# Altium PCB ASP-0.PcbDoc (part 1 of 4) (continued)
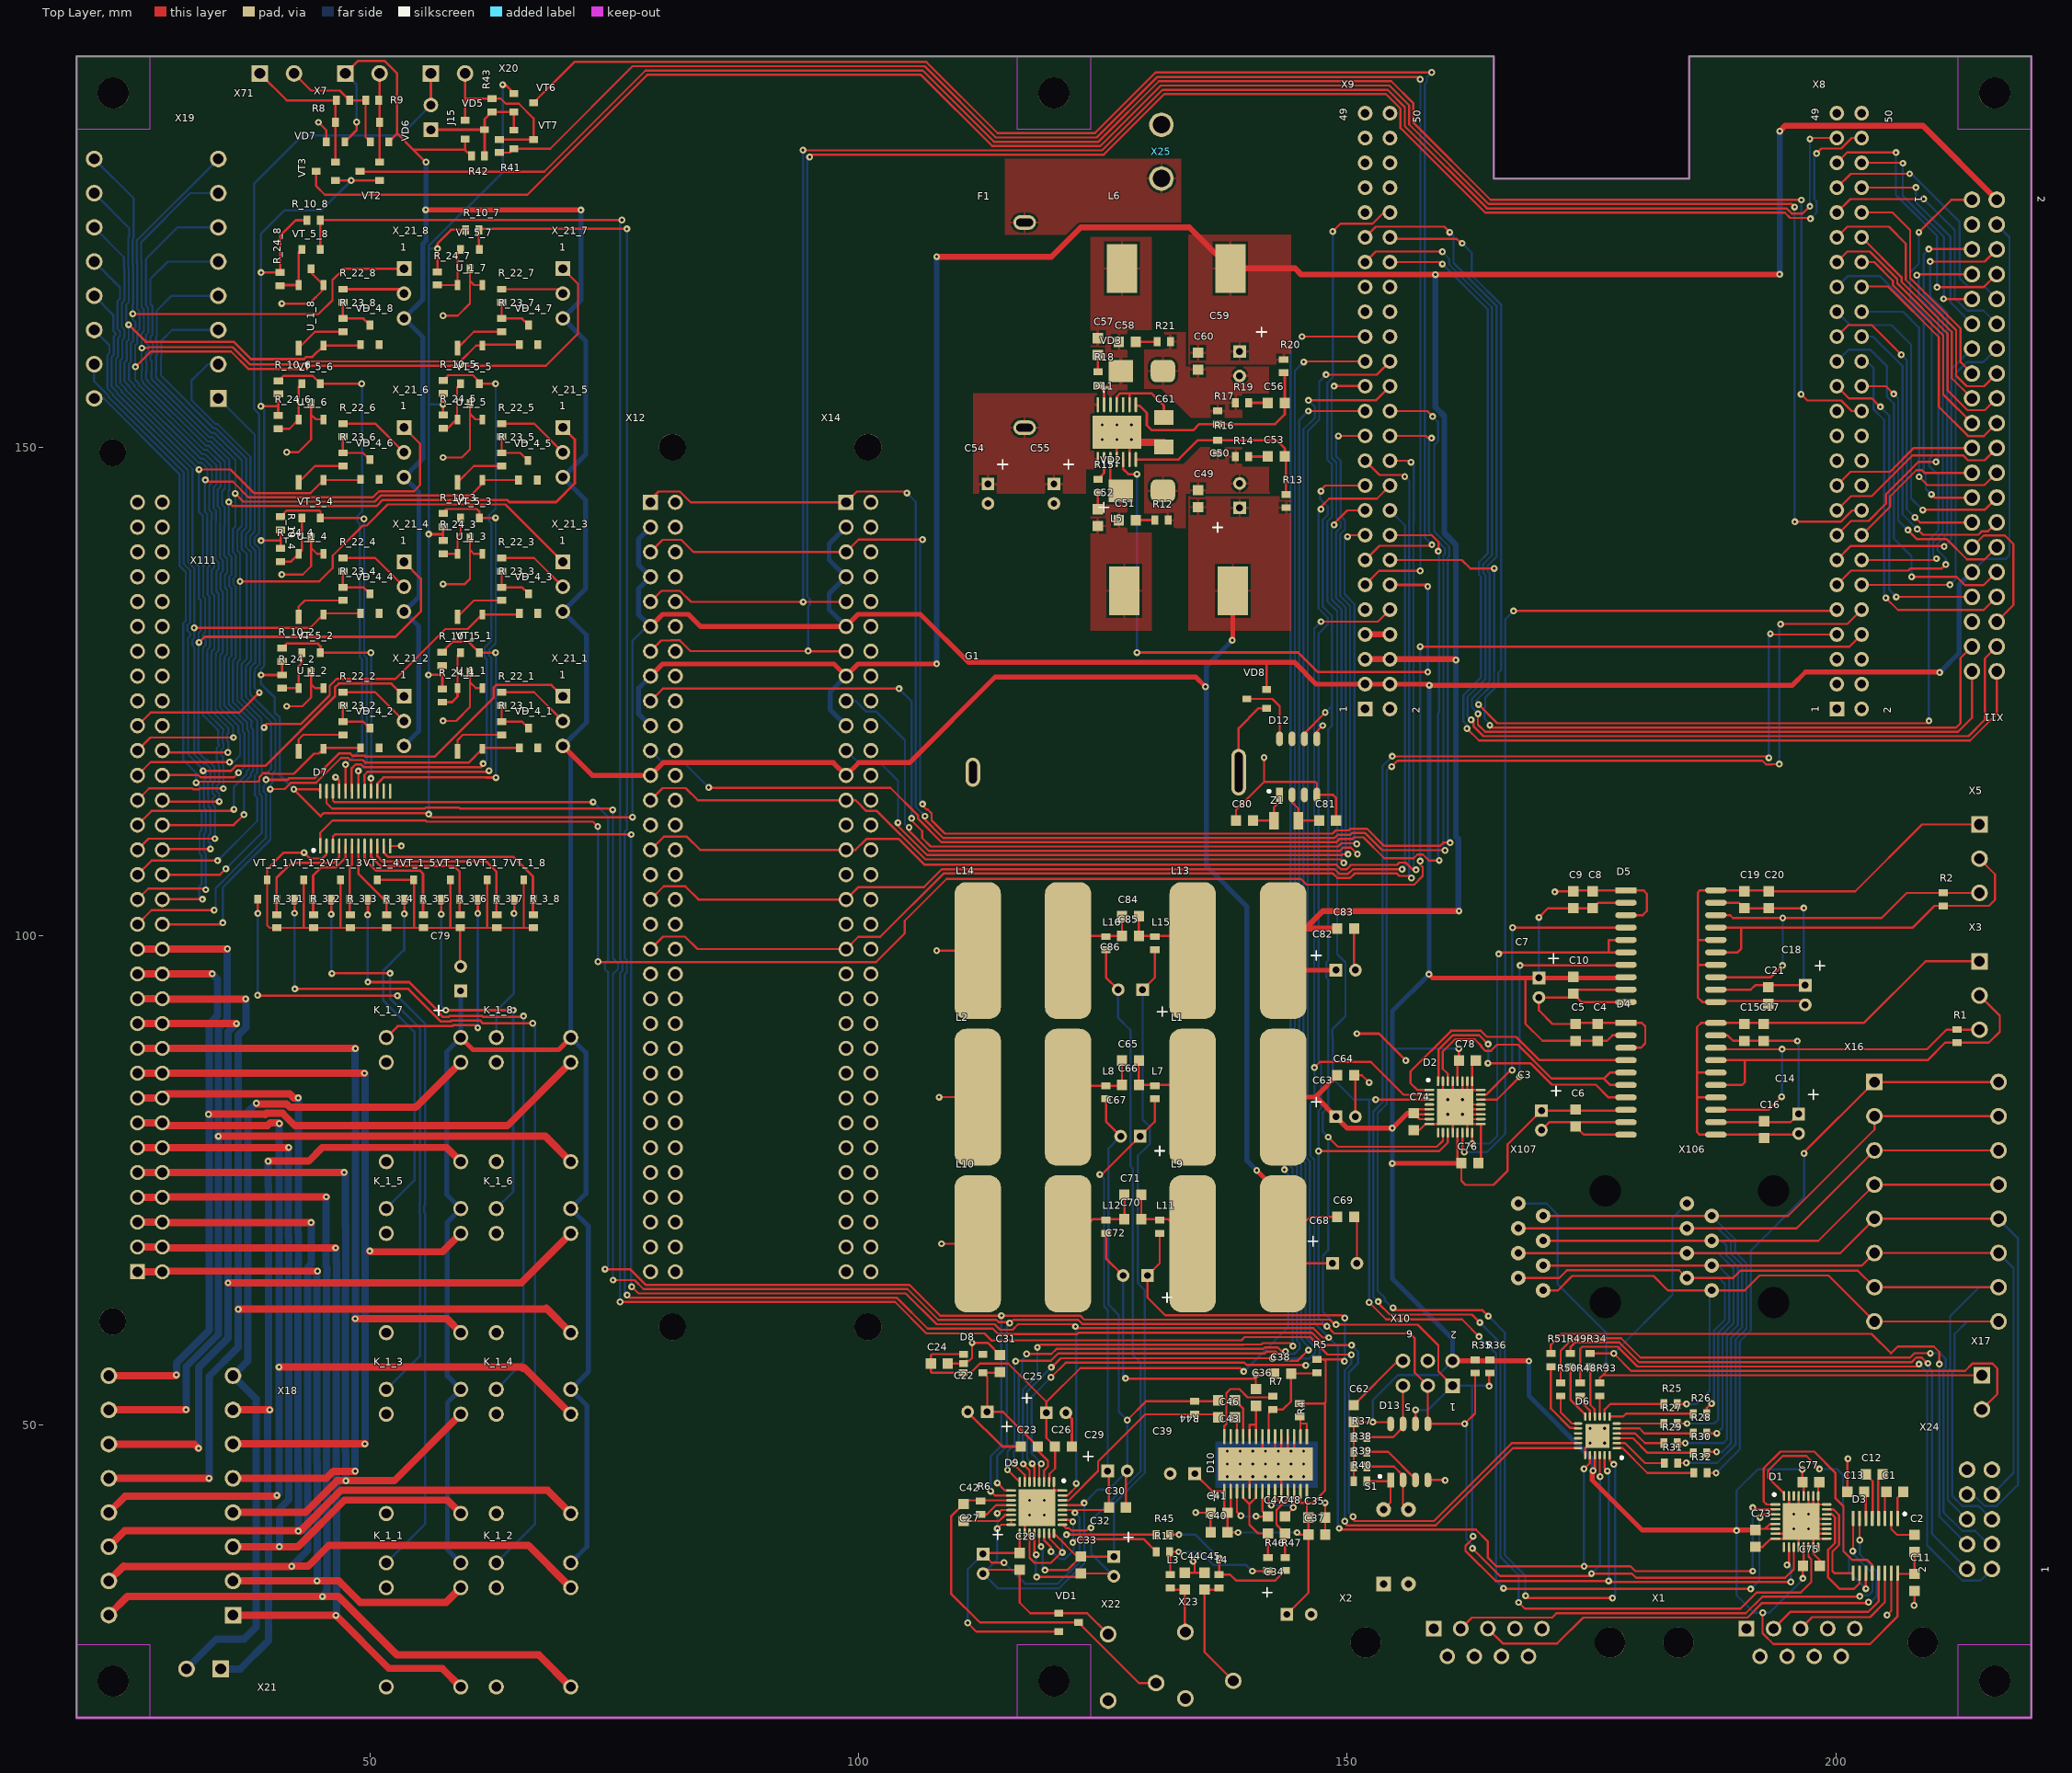
[diagram p0: Top Layer view]
## Components (designator, comment, footprint, x,y, rotation, side; value= is the part's Value field where it differs from the comment) (continued)
R_22_2 "550" R0603 47.25,124.25 r90 top (schematic designator R22)
R_22_3 "550" R0603 63.5,138 r90 top (schematic designator R22)
R_22_4 "550" R0603 47.25,138 r90 top (schematic designator R22)
R_22_5 "550" R0603 63.5,151.75 r90 top (schematic designator R22)
R_22_6 "550" R0603 47.25,151.75 r90 top (schematic designator R22)
R_22_7 "550" R0603 63.5,165.5 r90 top (schematic designator R22)
R_22_8 "550" R0603 47.25,165.5 r90 top (schematic designator R22)
R_23_1 "550" R0603 63.5,121.25 r90 top (schematic designator R23)
R_23_2 "550" R0603 47.25,121.25 r90 top (schematic designator R23)
R_23_3 "550" R0603 63.5,135 r90 top (schematic designator R23)
R_23_4 "550" R0603 47.25,135 r90 top (schematic designator R23)
R_23_5 "550" R0603 63.5,148.75 r90 top (schematic designator R23)
R_23_6 "550" R0603 47.25,148.75 r90 top (schematic designator R23)
R_23_7 "550" R0603 63.5,162.5 r90 top (schematic designator R23)
R_23_8 "550" R0603 47.25,162.5 r90 top (schematic designator R23)
R_24_1 "4.7K" R0603 57.425,124.6 r90 top (schematic designator R24)
R_24_2 "4.7K" R0603 41.025,126.025 r90 top (schematic designator R24)
R_24_3 "4.7K" R0603 57.5,139.775 r90 top (schematic designator R24)
R_24_4 "4.7K" R0603 40.875,138.975 r90 top (schematic designator R24)
R_24_5 "4.7K" R0603 57.5,152.625 r90 top (schematic designator R24)
R_24_6 "4.7K" R0603 40.625,152.575 r90 top (schematic designator R24)
R_24_7 "4.7K" R0603 56.925,167.275 r90 top (schematic designator R24)
R_24_8 "4.7K" R0603 40.825,167.2 r90 top (schematic designator R24)
S1 "SW DIP-2" DipSw2 155,37.5 r0 top
U_1_1 "MOC207M" SOP4 60.25,122.25 r90 top (schematic designator U1)
U_1_2 "MOC207M" SOP4 44,122.25 r90 top (schematic designator U1)
U_1_3 "MOC207M" SOP4 60.25,136 r90 top (schematic designator U1)
U_1_4 "MOC207M" SOP4 44,136 r90 top (schematic designator U1)
U_1_5 "MOC207M" SOP4 60.25,149.75 r90 top (schematic designator U1)
U_1_6 "MOC207M" SOP4 44,149.75 r90 top (schematic designator U1)
U_1_7 "MOC207M" SOP4 60.25,163.5 r90 top (schematic designator U1)
U_1_8 "MOC207M" SOP4 44,163.5 r90 top (schematic designator U1)
VD1 "BAT54S" SOT23 121.5,29.75 r270 top
VD2 "MBRA340" DiodeSMB 129,145.55 r180 top
VD3 "MBRA340" DiodeSMB 129,157.8 r180 top
VD5 "BAT54S" SOT23 60.75,182.5 r270 top
VD6 "BAT54S" SOT23 51,182.25 r0 top
VD7 "BAT54S" SOT23 46.5,182.25 r0 top
VD8 "BAT54C" SOT23 140.75,124.25 r90 top
VD_4_1 "BAT54S" SOT23 66.25,120.25 r0 top (schematic designator VD4)
VD_4_2 "BAT54S" SOT23 50,120.25 r0 top (schematic designator VD4)
VD_4_3 "BAT54S" SOT23 66.25,134 r0 top (schematic designator VD4)
VD_4_4 "BAT54S" SOT23 50,134 r0 top (schematic designator VD4)
VD_4_5 "BAT54S" SOT23 66.175,147.65 r0 top (schematic designator VD4)
VD_4_6 "BAT54S" SOT23 50,147.725 r0 top (schematic designator VD4)
VD_4_7 "BAT54S" SOT23 66.25,161.5 r0 top (schematic designator VD4)
VD_4_8 "BAT54S" SOT23 50,161.5 r0 top (schematic designator VD4)
VT2 "BSS138LT3G" SOT23 50,178.25 r90 top
VT3 "BSS138LT3G" SOT23 45.5,178.25 r90 top
VT6 "BSS138LT3G" SOT23 65.75,185.25 r270 top
VT7 "BSS138LT3G" SOT23 65.75,181.5 r270 top
VT_1_1 "BSS138LT3G" SOT23 39.5,104.75 r0 top (schematic designator VT1)
VT_1_2 "BSS138LT3G" SOT23 43.25,104.75 r0 top (schematic designator VT1)
VT_1_3 "BSS138LT3G" SOT23 47,104.75 r0 top (schematic designator VT1)
VT_1_4 "BSS138LT3G" SOT23 50.75,104.75 r0 top (schematic designator VT1)
VT_1_5 "BSS138LT3G" SOT23 54.5,104.75 r0 top (schematic designator VT1)
VT_1_6 "BSS138LT3G" SOT23 58.25,104.75 r0 top (schematic designator VT1)
VT_1_7 "BSS138LT3G" SOT23 62,104.75 r0 top (schematic designator VT1)
VT_1_8 "BSS138LT3G" SOT23 65.75,104.75 r0 top (schematic designator VT1)
VT_5_1 "BSS138LT3G" SOT23 60.25,128 r180 top (schematic designator VT5)
VT_5_2 "BSS138LT3G" SOT23 44,128 r180 top (schematic designator VT5)
VT_5_3 "BSS138LT3G" SOT23 60.25,141.75 r180 top (schematic designator VT5)
VT_5_4 "BSS138LT3G" SOT23 44,141.75 r180 top (schematic designator VT5)
VT_5_5 "BSS138LT3G" SOT23 60.25,155.5 r180 top (schematic designator VT5)
VT_5_6 "BSS138LT3G" SOT23 44,155.5 r180 top (schematic designator VT5)
VT_5_7 "BSS138LT3G" SOT23 60.25,169.25 r180 top (schematic designator VT5)
VT_5_8 "BSS138LT3G" SOT23 44,169.25 r180 top (schematic designator VT5)
X1 "D Connector 9" "DSub Male R/A" 196.4,27.7 r0 top
X2 "D Connector 9" "DSub Male R/A" 164.4,27.7 r0 top
X3 "Клеммник RS485" 15EDGRC-3.5-3 214.7,97.4 r0 top
X5 "Клеммник RS485" 15EDGRC-3.5-3 214.7,111.4 r0 top
X7 "Клеммник под Wiegand" 15EDGRC-3.5-2 47.5,188.25 r90 top
X8 "Header 25X2" HDR2X25 201.374,153.705 r90 top
X9 "Header 25X2" HDR2X25 153.114,153.705 r90 top
X10 "Header 3X2" HDR2X3 158.25,55.25 r180 top
X11 "Header 20X2" IDC-40 215.2,151.2 r270 top
X12 "Header 10X2" "DIN 41612 B Vertical" 80,105 r0 top
X14 "Header 10X2" "DIN 41612 B Vertical" 100,105 r0 top
X16 "Клеммник кнопок 1" 15EDGRT-3.5-16 203.95,85.05 r0 top
X17 "Клеммник кнопок 2" 15EDGRC-3.5-2 214.95,55.05 r0 top
X18 "Клеммник реле" 15EDGRT-3.5-16 36,30.5 r180 top
X19 "Клеммник сенсоров" 15EDGRT-3.5-16 34.5,155 r180 top
X20 "Клеммник под арбитраж" 15EDGRC-3.5-2 56.25,188.25 r90 top
X21 "Клеммник подсветки кнопки" 15EDGRC-3.5-2 34.75,25 r270 top
X22 "Jack mono" "Audio Jack AUB13" 128,21.75 r0 top
X23 "Jack mono" "Audio Jack AUB13" 135.9,21.975 r0 top
X24 "Клеммник NumPad" IDC-10 214.7,40.3 r90 top
X25 "Питание" MF-02RA 131,177.5 r180 top
X71 "Клеммник под Wiegand" 15EDGRC-3.5-2 38.75,188.25 r90 top
X106 "RJ45 под сервисный пульт 1" "RJ45 Vert FCI 90598-001LFc" 193.65,68.175 r180 top
X107 "RJ45 под сервисный пульт 2" "RJ45 Vert FCI 90598-001LFc" 176.4,68.175 r180 top
X111 "DIN 41612 RAQ" "DIN 41612 B RA" 27.5,105 r180 top
X_21_1 "Header 3" "HDR1X3 100mil" 69.75,123.25 r0 top (schematic designator X21)
X_21_2 "Header 3" "HDR1X3 100mil" 53.5,123.25 r0 top (schematic designator X21)
X_21_3 "Header 3" "HDR1X3 100mil" 69.75,137 r0 top (schematic designator X21)
X_21_4 "Header 3" "HDR1X3 100mil" 53.5,137 r0 top (schematic designator X21)
X_21_5 "Header 3" "HDR1X3 100mil" 69.75,150.75 r0 top (schematic designator X21)
X_21_6 "Header 3" "HDR1X3 100mil" 53.5,150.75 r0 top (schematic designator X21)
X_21_7 "Header 3" "HDR1X3 100mil" 69.75,167 r0 top (schematic designator X21)
X_21_8 "Header 3" "HDR1X3 100mil" 53.5,167 r0 top (schematic designator X21)
Z1 "XTAL 32.786kHz" Q1206 143.75,111.8 r0 top

## Footprints (in the part's own frame and the unit in brackets; to place one, negate y for a bottom-side part, rotate by r counter-clockwise, add the part's x,y. Pads: shape width x height; smd on the part's side, far side on the other; paste and mask are expansions set on the pad)
15EDGRC-3.5-2 [mm]
  rect 1.7x1.7 hole 1.1: 1(0,0)
  round 1.7 hole 1.1: 2(0,-3.5)
  body extent -1.2,-5.75 8,2.35, height 7
15EDGRC-3.5-3 [mm]
  rect 1.7x1.7 hole 1.1: 1(0,0)
  round 1.7 hole 1.1: 2(0,-3.5) 3(0,-7)
  body extent -1.2,-9.3 8,2.3, height 7
15EDGRT-3.5-16 [mm]
  rect 1.7x1.7 hole 1.1: 1(0,0)
  round 1.7 hole 1.1: 2(12.7,0) 3(0,-3.5) 4(12.7,-3.5) 5(0,-7) 6(12.7,-7) 7(0,-10.5) 8(12.7,-10.5) 9(0,-14) 10(12.7,-14) 11(0,-17.5) 12(12.7,-17.5) 13(0,-21) 14(12.7,-21) 15(0,-24.5) 16(12.7,-24.5)
  body extent -3.1,-26.95 18.8,2.45, height 22.55
"Audio Jack AUB13" [mm]
  round 1.7 hole 1.1: 1(-2.45,6.8) 2(2.45,1.8) 3(-2.45,0)
  body extent -3,-6 3,8.7, height 5.5
"BatHld MPD BC2032-E2" [mm]
  oval 1.5x4.8 hole 0.8 slot 4.1 at 90 deg: +(-13.6,0)
  oval 1.5x3 hole 0.8 slot 2.3 at 90 deg: -(13.6,0)
  body extent -14.48,-10.67 14.48,10.67, height 5.08
C0603 [mm] "0603 capacitor"
  rect 1.05x1.08 smd: 1(-0.865,0) 2(0.865,0)
  body extent -0.8,-0.4 0.8,0.4, height 0.8
C1206 [mm] "1206 capacitor"
  rect 1.5x2 smd: 1(-1.5,0) 2(1.5,0)
  body extent -1.6,-0.8 1.6,0.8, height 1.6
"DIN 41612 B RA" [mm] "DIN 41612 B plug"
  round 2.75 hole 2.75 unplated: 0(3.81,44.45) 0(3.81,-44.45)
  rect 1.55x1.55 hole 1: A1(1.27,39.37)
  round 1.55 hole 1: A2(1.27,36.83) A3(1.27,34.29) A4(1.27,31.75) A5(1.27,29.21) A6(1.27,26.67) A7(1.27,24.13) A8(1.27,21.59) A9(1.27,19.05) A10(1.27,16.51) A11(1.27,13.97) A12(1.27,11.43) A13(1.27,8.89) A14(1.27,6.35) A15(1.27,3.81) A16(1.27,1.27) A17(1.27,-1.27) A18(1.27,-3.81) A19(1.27,-6.35) A20(1.27,-8.89) A21(1.27,-11.43) A22(1.27,-13.97) A23(1.27,-16.51) A24(1.27,-19.05) A25(1.27,-21.59) A26(1.27,-24.13) A27(1.27,-26.67) A28(1.27,-29.21) A29(1.27,-31.75) A30(1.27,-34.29) A31(1.27,-36.83) A32(1.27,-39.37) B1(-1.27,39.37) B2(-1.27,36.83) B3(-1.27,34.29) B4(-1.27,31.75) B5(-1.27,29.21) B6(-1.27,26.67) B7(-1.27,24.13) B8(-1.27,21.59) B9(-1.27,19.05) B10(-1.27,16.51) B11(-1.27,13.97) B12(-1.27,11.43) B13(-1.27,8.89) B14(-1.27,6.35) B15(-1.27,3.81) B16(-1.27,1.27) B17(-1.27,-1.27) B18(-1.27,-3.81) B19(-1.27,-6.35) B20(-1.27,-8.89) B21(-1.27,-11.43) B22(-1.27,-13.97) B23(-1.27,-16.51) B24(-1.27,-19.05) B25(-1.27,-21.59) B26(-1.27,-24.13) B27(-1.27,-26.67) B28(-1.27,-29.21) B29(-1.27,-31.75) B30(-1.27,-34.29) B31(-1.27,-36.83) B32(-1.27,-39.37)
  body extent -1.59,-46.92 13.92,46.93, height 6.92
"DIN 41612 B Vertical" [mm] "DIN 41612 B receptacle"
  round 2.75 hole 2.75 unplated: 0(0.97,-45) 0(0.97,45)
  rect 1.55x1.55 hole 1: A1(-1.27,39.37)
  round 1.55 hole 1: A2(-1.27,36.83) A3(-1.27,34.29) A4(-1.27,31.75) A5(-1.27,29.21) A6(-1.27,26.67) A7(-1.27,24.13) A8(-1.27,21.59) A9(-1.27,19.05) A10(-1.27,16.51) A11(-1.27,13.97) A12(-1.27,11.43) A13(-1.27,8.89) A14(-1.27,6.35) A15(-1.27,3.81) A16(-1.27,1.27) A17(-1.27,-1.27) A18(-1.27,-3.81) A19(-1.27,-6.35) A20(-1.27,-8.89) A21(-1.27,-11.43) A22(-1.27,-13.97) A23(-1.27,-16.51) A24(-1.27,-19.05) A25(-1.27,-21.59) A26(-1.27,-24.13) A27(-1.27,-26.67) A28(-1.27,-29.21) A29(-1.27,-31.75) A30(-1.27,-34.29) A31(-1.27,-36.83) A32(-1.27,-39.37) B1(1.27,39.37) B2(1.27,36.83) B3(1.27,34.29) B4(1.27,31.75) B5(1.27,29.21) B6(1.27,26.67) B7(1.27,24.13) B8(1.27,21.59) B9(1.27,19.05) B10(1.27,16.51) B11(1.27,13.97) B12(1.27,11.43) B13(1.27,8.89) B14(1.27,6.35) B15(1.27,3.81) B16(1.27,1.27) B17(1.27,-1.27) B18(1.27,-3.81) B19(1.27,-6.35) B20(1.27,-8.89) B21(1.27,-11.43) B22(1.27,-13.97) B23(1.27,-16.51) B24(1.27,-19.05) B25(1.27,-21.59) B26(1.27,-24.13) B27(1.27,-26.67) B28(1.27,-29.21) B29(1.27,-31.75) B30(1.27,-34.29) B31(1.27,-36.83) B32(1.27,-39.37)
  body extent -4.03,-46.93 4.02,46.93, height 12
DiodeSMB [mm] "SMB Diode"
  rrect50% 2.5x2.3 smd: 1(-2.15,0)
  rect 2.5x2.3 smd: 2(2.15,0)
  silkscreen extent 3.4,1.2 4.4,2.2, body extent -2.25,-1.95 2.25,1.95, height 2.5
DipSw2 [mil]
  rect 60x60 hole 30: 1(-50,-150)
  round 60 hole 30: 2(-50,150) 3(50,-150) 4(50,150)
  body extent -129,-195 129,195, height 307
"DSub Male R/A" [mm]
  round 3.1 hole 3.1 unplated: 0(-12.5,0) 0(12.5,0)
  rect 1.6x1.6 hole 1: 1(-5.54,1.42)
  round 1.6 hole 1: 2(-2.77,1.42) 3(0,1.42) 4(2.77,1.42) 5(5.54,1.42) 6(-4.155,-1.42) 7(-1.385,-1.42) 8(1.385,-1.42) 9(4.155,-1.42)
  body extent -15.41,-15.7 15.4,3.45, height 12.55
"Fuse hld fh-101" [mm]
  oval 1.5x2.3 hole 0.8 slot 1.7 at 90 deg: 1(-10.5,0) 2(10.5,0)
  body extent -12,-4.9 12,4.9, height 11
"HDR1X3 100mil" [mm] "Connector; Header; 23x2 Position"
  rect 1.5x1.5 hole 0.9: 1(0,1.27)
  round 1.5 hole 0.9: 2(0,-1.27) 3(0,-3.81)
  body extent -1.27,-5.08 1.27,2.54, height 10.29
HDR2X1 [mm] "Connector; Header; 23x2 Position"
  rect 1.5x1.5 hole 0.9: 1(0,1.27)
  round 1.5 hole 0.9: 2(0,-1.27)
  body extent -1.27,-2.54 1.27,2.54, height 10.29
HDR2X3 [mm] "Connector; Header; 23x2 Position"
  rect 1.5x1.5 hole 0.9: 1(-2.54,1.27)
  round 1.5 hole 0.9: 2(-2.54,-1.27) 3(0,1.27) 4(0,-1.27) 5(2.54,1.27) 6(2.54,-1.27)
  body extent -3.81,-2.54 3.81,2.54, height 10.29
HDR2X25 [mm] "Connector; Header; 23x2 Position"
  rect 1.5x1.5 hole 0.9: 1(-30.48,1.27)
  round 1.5 hole 0.9: 2(-30.48,-1.27) 3(-27.94,1.27) 4(-27.94,-1.27) 5(-25.4,1.27) 6(-25.4,-1.27) 7(-22.86,1.27) 8(-22.86,-1.27) 9(-20.32,1.27) 10(-20.32,-1.27) 11(-17.78,1.27) 12(-17.78,-1.27) 13(-15.24,1.27) 14(-15.24,-1.27) 15(-12.7,1.27) 16(-12.7,-1.27) 17(-10.16,1.27) 18(-10.16,-1.27) 19(-7.62,1.27) 20(-7.62,-1.27) 21(-5.08,1.27) 22(-5.08,-1.27) 23(-2.54,1.27) 24(-2.54,-1.27) 25(0,1.27) 26(0,-1.27) 27(2.54,1.27) 28(2.54,-1.27) 29(5.08,1.27) 30(5.08,-1.27) 31(7.62,1.27) 32(7.62,-1.27) 33(10.16,1.27) 34(10.16,-1.27) 35(12.7,1.27) 36(12.7,-1.27) 37(15.24,1.27) 38(15.24,-1.27) 39(17.78,1.27) 40(17.78,-1.27) 41(20.32,1.27) 42(20.32,-1.27) 43(22.86,1.27) 44(22.86,-1.27) 45(25.4,1.27) 46(25.4,-1.27) 47(27.94,1.27) 48(27.94,-1.27) 49(30.48,1.27) 50(30.48,-1.27)
  body extent -31.75,-2.54 31.75,2.54, height 10.29
HTSSOP14 [mm] "14Pin PowerPAD Plastic Small Outline"
  rect 1.55x0.25 smd: 1(-2.8,1.95)
  oval 1.55x0.25 smd: 2(-2.8,1.3) 3(-2.8,0.65) 4(-2.8,0) 5(-2.8,-0.65) 6(-2.8,-1.3) 7(-2.8,-1.95) 8(2.8,-1.95) 9(2.8,-1.3) 10(2.8,-0.65) 11(2.8,0) 12(2.8,0.65) 13(2.8,1.3) 14(2.8,1.95)
  rect 3.4x5 smd paste-2.5 mask-2.5: 15(0,0)
  body extent -2.22,-2.6 2.22,2.6, height 1.2
HTSSOP28 [mm] "28Pin PowerPAD Plastic Small Outline"
  rect 1.55x0.25 smd: 1(-2.8,4.225)
  oval 1.55x0.25 smd: 2(-2.8,3.575) 3(-2.8,2.925) 4(-2.8,2.275) 5(-2.8,1.625) 6(-2.8,0.975) 7(-2.8,0.325) 8(-2.8,-0.325) 9(-2.8,-0.975) 10(-2.8,-1.625) 11(-2.8,-2.275) 12(-2.8,-2.925) 13(-2.8,-3.575) 14(-2.8,-4.225) 15(2.8,-4.225) 16(2.8,-3.575) 17(2.8,-2.925) 18(2.8,-2.275) 19(2.8,-1.625) 20(2.8,-0.975) 21(2.8,-0.325) 22(2.8,0.325) 23(2.8,0.975) 24(2.8,1.625) 25(2.8,2.275) 26(2.8,2.925) 27(2.8,3.575) 28(2.8,4.225)
  rect 3.4x9.7 smd paste-5 mask-5: 29(0,0)
  body extent -2.2,-4.85 2.2,4.85, height 1.2
HVQFN32 [mm] "32-Pin Quad Flat No-leads Pack Thermal Enhanced"
  rrect50% 1x0.25 smd: 1(-2.625,1.75)
  oval 1x0.25 smd: 2(-2.625,1.25) 3(-2.625,0.75) 4(-2.625,0.25) 5(-2.625,-0.25) 6(-2.625,-0.75) 7(-2.625,-1.25) 8(-2.625,-1.75) 17(2.625,-1.75) 18(2.625,-1.25) 19(2.625,-0.75) 20(2.625,-0.25) 21(2.625,0.25) 22(2.625,0.75) 23(2.625,1.25) 24(2.625,1.75)
  oval 0.25x1 smd: 9(-1.75,-2.625) 10(-1.25,-2.625) 11(-0.75,-2.625) 12(-0.25,-2.625) 13(0.25,-2.625) 14(0.75,-2.625) 15(1.25,-2.625) 16(1.75,-2.625) 25(1.75,2.625) 26(1.25,2.625) 27(0.75,2.625) 28(0.25,2.625) 29(-0.25,2.625) 30(-0.75,2.625) 31(-1.25,2.625) 32(-1.75,2.625)
  rect 3.75x3.75 smd paste-4: 33(0,0)
  Top Layer pour cut-out: -2.5,2.5 -2,2.5 -2,2 -2.5,2
  silkscreen extent -2.87,2.63 -2.62,2.87, body extent -2.5,-2.5 2.5,2.5, height 0.8
I0603 [mm] "0603 Inductor"
  rect 0.7x0.95 smd: 1(-0.675,0) 2(0.675,0)
  body extent -0.77,-0.43 0.77,0.43, height 0.8
IDC-10 [mm] "10 Pin IDC Plug TH"
  round 1.7 hole 1.1: 1(-5.08,-1.27) 2(-5.08,1.27) 3(-2.54,-1.27) 4(-2.54,1.27) 5(0,-1.27) 6(0,1.27) 7(2.54,-1.27) 8(2.54,1.27) 9(5.08,-1.27) 10(5.08,1.27)
  body extent -8.25,-4.64 8.26,4.64, height 8.89
IDC-40 [mm] "40 Pin IDC Plug TH"
  round 1.7 hole 1.1: 1(-24.13,-1.27) 2(-24.13,1.27) 3(-21.59,-1.27) 4(-21.59,1.27) 5(-19.05,-1.27) 6(-19.05,1.27) 7(-16.51,-1.27) 8(-16.51,1.27) 9(-13.97,-1.27) 10(-13.97,1.27) 11(-11.43,-1.27) 12(-11.43,1.27) 13(-8.89,-1.27) 14(-8.89,1.27) 15(-6.35,-1.27) 16(-6.35,1.27) 17(-3.81,-1.27) 18(-3.81,1.27) 19(-1.27,-1.27) 20(-1.27,1.27) 21(1.27,-1.27) 22(1.27,1.27) 23(3.81,-1.27) 24(3.81,1.27) 25(6.35,-1.27) 26(6.35,1.27) 27(8.89,-1.27) 28(8.89,1.27) 29(11.43,-1.27) 30(11.43,1.27) 31(13.97,-1.27) 32(13.97,1.27) 33(16.51,-1.27) 34(16.51,1.27) 35(19.05,-1.27) 36(19.05,1.27) 37(21.59,-1.27) 38(21.59,1.27) 39(24.13,-1.27) 40(24.13,1.27)
  body extent -27.3,-4.64 27.3,4.64, height 8.89
MF-02RA [mm]
  round 2.5 hole 1.8: 1(0,0) 2(0,-5.5)
  body extent -3.3,-19.43 3.3,0.5, height 11.4
Q1206 [mm] "1206 quartz"
  rect 1x1.8 smd: 1(-1.25,0) 2(1.25,0)
  body extent -1.6,-0.75 1.6,0.75, height 0.8
R0603 [mm] "0603 Resistor"
  rect 0.7x0.95 smd: 1(-0.675,0) 2(0.675,0)
  body extent -0.77,-0.43 0.77,0.43, height 0.55
RAD-2-5-11 [mm] "Cap Radial 5x11 mm"
  rect 1.3x1.3 hole 0.7: 1(0,-1)
  round 1.3 hole 0.7: 2(0,1)
  silkscreen extent -2,-3.5 -1,-2.5, body extent -2.5,-2.5 2.5,2.5, height 11
RAD-2.5-6.3-11 [mm] "Cap Radial 6.3x11 mm"
  rect 1.3x1.3 hole 0.7: 1(0,-1.25)
  round 1.3 hole 0.7: 2(0,1.25)
  silkscreen extent -2.75,-3.75 -1.75,-2.75, body extent -3.15,-3.15 3.15,3.15, height 11
"RJ45 Vert FCI 90598-001LFc" [mm]
  round 0 hole 3.2 unplated: 0(0,5.715) 0(0,-5.715)
  round 1.5 hole 0.762: 1(6.35,4.445) 2(8.89,3.175) 3(6.35,1.905) 4(8.89,0.635) 5(6.35,-0.635) 6(8.89,-1.905) 7(6.35,-3.175) 8(8.89,-4.445)
  body extent -6.47,-8.89 9.91,8.89, height 15.66
SDR1307 [mm] "Inductor"
  rrect50% 4.75x14 smd: 1(-4.625,0) 2(4.625,0)
  body extent -6.5,-6.5 6.5,6.5, height 7
"SO20 300mil" [mm] "20-Pin SOIC 300mil 7.6mm"
  rect 2.2x0.6 smd: 1(-4.6,5.715)
  oval 2.2x0.6 smd: 2(-4.6,4.445) 3(-4.6,3.175) 4(-4.6,1.905) 5(-4.6,0.635) 6(-4.6,-0.635) 7(-4.6,-1.905) 8(-4.6,-3.175) 9(-4.6,-4.445) 10(-4.6,-5.715) 11(4.6,-5.715) 12(4.6,-4.445) 13(4.6,-3.175) 14(4.6,-1.905) 15(4.6,-0.635) 16(4.6,0.635) 17(4.6,1.905) 18(4.6,3.175) 19(4.6,4.445) 20(4.6,5.715)
  body extent -3.8,-6.5 3.8,6.5, height 2.65
"soic8 4mm" [mm] "8-Pin SOIC 153 mil 4 mm"
  rect 1.5x0.7 smd: 1(-2.87,1.905)
  oval 1.5x0.7 smd: 2(-2.87,0.635) 3(-2.87,-0.635) 4(-2.87,-1.905) 5(2.87,-1.905) 6(2.87,-0.635) 7(2.87,0.635) 8(2.87,1.905)
  silkscreen extent -2.62,2.87 -2.38,3.12, body extent -2,-2.5 2,2.5, height 1.75
"SOIC8 4mm" [mm] "8-Pin SOIC 153 mil 4 mm"
  rect 1.5x0.7 smd: 1(-2.87,1.905)
  oval 1.5x0.7 smd: 2(-2.87,0.635) 3(-2.87,-0.635) 4(-2.87,-1.905) 5(2.87,-1.905) 6(2.87,-0.635) 7(2.87,0.635) 8(2.87,1.905)
  silkscreen extent -2.62,2.87 -2.38,3.12, body extent -2,-2.5 2,2.5, height 1.75
SOP4 [mm]
  rect 1.5x0.6 smd: 1(-3.35,1.27)
  rect 1x0.6 smd: 2(-3.1,-1.27) 3(3.1,-1.27) 4(3.1,1.27)
  body extent -2.2,-1.6 2.2,1.6, height 2
SOT23 [mm]
  rect 0.7x0.9 smd: 1(-0.95,-1) 2(0.95,-1) 3(0,1)
  body extent -1.55,-0.6 1.55,0.6, height 1.15
sot25 [mm]
  rect 0.7x0.9 smd: 1(0.95,1) 2(0,1) 3(-0.95,1.025) 4(-0.95,-1) 5(0.95,-1)
  body extent -1.55,-0.6 1.55,0.6, height 1.15
SRP1265A [mm] "Bourns Power Inductor"
  rect 3.1x5 smd: 1(-5.55,0) 2(5.55,0)
  body extent -6.75,-6.25 6.75,6.25, height 6.2
TRB [mm] "TRB Relay"
  round 1.55 hole 1: 1(-3.81,6.35) 2(-3.81,-3.81) 3(-3.81,-6.35) 4(3.81,-6.35) 5(3.81,-3.81) 6(3.81,6.35)
  body extent -5.2,-7.85 5.2,7.85, height 11.7
TSSOP16 [mm]
  rect 1.55x0.3 smd: 1(-2.8,2.275)
  rrect50% 1.55x0.3 smd: 2(-2.8,1.625) 3(-2.8,0.975) 4(-2.8,0.325) 5(-2.8,-0.325) 6(-2.8,-0.975) 7(-2.8,-1.625) 8(-2.8,-2.275) 9(2.8,-2.275) 10(2.8,-1.625) 11(2.8,-0.975) 12(2.8,-0.325) 13(2.8,0.325) 14(2.8,0.975) 15(2.8,1.625) 16(2.8,2.275)
  silkscreen extent -3.37,2.88 -3.13,3.13, body extent -2.25,-2.55 2.25,2.55, height 1.2
TSSOP24 [mm]
  rect 1.55x0.25 smd: 1(-2.8,3.575)
  oval 1.55x0.25 smd: 2(-2.8,2.925) 3(-2.8,2.275) 4(-2.8,1.625) 5(-2.8,0.975) 6(-2.8,0.325) 7(-2.8,-0.325) 8(-2.8,-0.975) 9(-2.8,-1.625) 10(-2.8,-2.275) 11(-2.8,-2.925) 12(-2.8,-3.575) 13(2.8,-3.575) 14(2.8,-2.925) 15(2.8,-2.275) 16(2.8,-1.625) 17(2.8,-0.975) 18(2.8,-0.325) 19(2.8,0.325) 20(2.8,0.975) 21(2.8,1.625) 22(2.8,2.275) 23(2.8,2.925) 24(2.8,3.575)
  silkscreen extent -3.37,4.12 -3.13,4.37, body extent -2.25,-3.95 2.25,3.95, height 1.2
WQFN24 [mm]
  rrect50% 0.85x0.25 smd: 1(-1.975,1.25)
  oval 0.85x0.25 smd: 2(-1.975,0.75) 3(-1.975,0.25) 4(-1.975,-0.25) 5(-1.975,-0.75) 6(-1.975,-1.25) 13(1.975,-1.25) 14(1.975,-0.75) 15(1.975,-0.25) 16(1.975,0.25) 17(1.975,0.75) 18(1.975,1.25)
  oval 0.25x0.85 smd: 7(-1.25,-1.975) 8(-0.75,-1.975) 9(-0.25,-1.975) 10(0.25,-1.975) 11(0.75,-1.975) 12(1.25,-1.975) 19(1.25,1.975) 20(0.75,1.975) 21(0.25,1.975) 22(-0.25,1.975) 23(-0.75,1.975) 24(-1.25,1.975)
  rect 2.45x2.45 smd paste-3: 25(0,0)
  Top Layer pour cut-out: -2,2 -1.5,2 -1.5,1.5 -2,1.5
  silkscreen extent -2.63,2.13 -2.38,2.37, body extent -2,-2 2,2, height 0.8

## Part data
C1 C2 C4 C5 C6 C8 C9 C10 C11 C12 C13 C15 C16 C17 C19 C20 C21 C23 C24 C26 C28 C30 C31 C33 C35 C36 C37 C38 C40 C41 C42 C43 C44 C45 C46 C47 C48 C49 C51 C52 C53 C56 C57 C58 C60 C61 C62 C64 C65 C66 C69 C70 C71 C73 C74 C75 C76 C77 C78 C80 C81 C83 C84 C85: library part Cap, "Capacitor"
C3 C7 C14 C18 C22 C25 C27 C29 C32 C54 C55: library part "Cap Pol3", "Polarized Capacitor (Surface Mount)"
C34 C39 C50 C59 C63 C67 C68 C72 C79 C82 C86: library part "Cap Pol3", "Polarized Capacitor (Axial)"
D3: library part TRS3232ECPWR, "RS-232 Line Driver/ Receiver"
D6: "I2C Keypad Scan IC"
D7: "Remote 16-Bit I2C and SMBus"
D8: "Single 150mA LDO"
D9: "Low-Power Audio CODEC"
D10: "10 W Mono Class-D Amplifier"
D12: library part PCF8563, "Real Time Clock"
D13: "256 kb Serial CMOS EEPROM"
F1: "Fuse"
G1: "2032 Battery holder"
J15: "Jumper Wire"
K_1_1 K_1_2 K_1_3 K_1_4 K_1_5 K_1_6 K_1_7 K_1_8: "Single-Pole Single-Throw Relay"
L1 L2 L3 L4 L7 L8 L9 L10 L11 L12 L13 L14 L15 L16: library part Inductor, "Inductor"
L5: library part "Inductor Iron", "Magnetic-Core Inductor"
L6: library part "Inductor Iron", "Inductor 47uH 4A"
R1 R2 R12 R13 R14 R15 R16 R17 R18 R19 R20 R21 R25 R26 R27 R28 R29 R30 R31 R32 R33 R34 R35 R36 R37 R38 R39 R40 R48 R49 R50 R51 R_10_1 R_10_2 R_10_3 R_10_4 R_10_5 R_10_6 R_10_7 R_10_8 R_22_1 R_22_2 R_22_3 R_22_4 R_22_5 R_22_6 R_22_7 R_22_8 R_23_1 R_23_2 R_23_3 R_23_4 R_23_5 R_23_6 R_23_7 R_23_8 R_24_1 R_24_2 R_24_3 R_24_4 R_24_5 R_24_6 R_24_7 R_24_8: library part Res3, "Resistor"
R4 R5 R6 R7 R8 R9 R41 R42 R43 R44 R_3_1 R_3_2 R_3_3 R_3_4 R_3_5 R_3_6 R_3_7 R_3_8: library part Res2, "Resistor"
R11 R45 R46 R47: "Resistor"
S1: "DIP Switch, 2 Position, SPST"
U_1_1 U_1_2 U_1_3 U_1_4 U_1_5 U_1_6 U_1_7 U_1_8: library part Optoisolator1, "4-Pin Phototransistor Optocoupler"
VD1 VD5 VD6 VD7 VD_4_1 VD_4_2 VD_4_3 VD_4_4 VD_4_5 VD_4_6 VD_4_7 VD_4_8: library part Diode_DblSeries, "Schottky Diode"
VD2 VD3: library part "D Schottky", "Schottky Diode"
VD8: library part Diode_DblComCath, "Schottky Diode"
VT2 VT3 VT6 VT7 VT_1_1 VT_1_2 VT_1_3 VT_1_4 VT_1_5 VT_1_6 VT_1_7 VT_1_8 VT_5_1 VT_5_2 VT_5_3 VT_5_4 VT_5_5 VT_5_6 VT_5_7 VT_5_8: library part MOSFET-N, "N-Channel MOSFET"
X1 X2: "Receptacle Assembly, 9 Position, Right Angle"
X3 X5: library part "Header 3", "Header, 3-Pin"
X7 X17 X20 X21 X25 X71: library part "Header 2H", "Header, 2-Pin, Right Angle"
X8 X9: "Header, 25-Pin, Dual row"
X10: "Header, 3-Pin, Dual row"
X11: "Header, 20-Pin, Dual row"
X12 X14: "Header, 10-Pin, Dual row"
X16 X18 X19: library part "Header 8X2", "Header, 8-Pin, Dual row"
X24 X106 X107: library part "Header 8", "Header, 8-Pin"
X111: library part "DIN 41612"
X_21_1 X_21_2 X_21_3 X_21_4 X_21_5 X_21_6 X_21_7 X_21_8: "Header, 3-Pin"
Z1: library part XTAL, "Crystal Oscillator"

## Free pads (board coordinates)
  round 3.2 hole 3.2 unplated: 0(23.75,23.75) 0(23.75,186.25) 0(120,23.75) 0(120,186.25) 0(216.25,23.75) 0(216.25,186.25)

## Via types
v1: diameter 0.7, hole 0.3, Top Layer to Bottom Layer, 444 vias
v2: diameter 0.7, hole 0.3, Top Layer to Bottom Layer, tented both sides, 20 vias

## Nets (pads, with @x,y where several pads share a name; then routed paths per layer and width w, separated by ;. In a path a pad name is that pad's centre, name@x,y a point inside that pad or via, vN(x,y) a via of type N, cw(c..) or ccw(c..) an arc to the next point about the centre after c; other vN are vias at no path point)
AGND: C27.2 C28.1 C29.2 C30.1 C46.2 C67.2 D9.13 D9.15 D9.16 D9.29 L8.2 R44.1 VD1.1 X22.1 | length 108.3
  Top Layer w0.22: C27.2@112.75,34.75 113.135,35.135 C28.1@116.5,35.135 116.5,31.775 117.575,30.7 VD1.1@120.5,30.7 123.4,30.7 X22.1@125.55,28.55 ; v1(114.2,39.35) 114.222,39.35 114.622,39.75 D9.16@115.625,39.75 D9.15@115.625,40.25 ; v1(114.207,40.918) 114.293,40.918 114.625,41.25 D9.13@115.625,41.25 ; D9.29@120.875,41.75 122.875,41.75 v1(123.1,41.975) ; L8.2@125.325,83.325 125.325,81 C67.2@126.825,79.5 ; C30.1@127.365,41.5 127.365,45.115 C29.2@127.5,45.25 ; v1(127.5,50.45) 129.45,52.4 R44.1@134.4,52.4 136.71,52.4 C46.2@136.785,52.475
  Bottom Layer w0.22: v1(114.207,40.918) 114.207,39.357 v1(114.2,39.35) 114.2,36.2 C27.2@112.75,34.75 114.25,33.25 120.55,33.25 123.1,35.8 v1(123.1,41.975) 124.475,43.35 125.6,43.35 C29.2@127.5,45.25 v1(127.5,50.45) 126.635,51.315 126.635,61.215 125.575,62.275 125.575,78.25 C67.2@126.825,79.5
AGND2: C34.2 C35.1 C36.1 C37.1 C38.1 C39.2 C40.1 C41.1 C44.2 C45.2 C72.2 D10.3 D10.4 D10.5 D10.6 D10.8 D10.19 D10.24 D10.29 L12.2 | length 53.6
  Top Layer w0.22: L12.2@125.325,69.575 125.325,67 C72.2@127.075,65.25 ; v1(127.331,54.728) 127.228,54.728 127.2,54.7 140.65,54.7 ; C44.2@133.4,34.84 134.4,34.84 ; v1(134.25,36) 134.4,35.85 134.4,34.84 ; v1(134.5,41) 134.525,40.975 C41.1@136.035,40.975 C40.1@136.035,38.975 ; C45.2@135.4,34.84 134.4,34.84 ; D10.19@140.025,43.175 140.025,44.35 v2(140.35,44.675) ; v1(140.65,55.1) 140.65,54.7 ; C36.1@140.675,53.64 140.65,53.665 140.65,54.7 ; v1@140.85,54.9 141.175,55.225 C38.1@142.535,55.225 ; D10.29@141.325,47.275 D10.8@141.325,48.775 ; D10.29@142.625,47.275 D10.6@142.625,48.775 ; v2(142.95,44.675) 143.275,44.35 D10.24@143.275,43.175 ; v2(142.95,47.275) 143.275,47.6 D10.5@143.275,48.775 ; D10.29@143.925,47.275 D10.4@143.925,48.775 ; v2(144.25,47.275) 144.575,47.6 D10.3@144.575,48.775 ; v1(147.75,42) 147.765,41.985 C35.1@147.765,40.475 C37.1@147.765,38.725
  Bottom Layer w0.22: C72.2@127.075,65.25 127.075,54.984 v1(127.331,54.728)
  other v1: 139.05,45.975 140.35,45.975 141.65,45.975 142.95,45.975 144.25,45.975
  other v2: 137.75,44.675 139.05,44.675 141.65,44.675 144.25,44.675 145.55,44.675 137.75,45.975 145.55,45.975 137.75,47.275 139.05,47.275 140.35,47.275 141.65,47.275 145.55,47.275
AGND3: C32.2 C33.1 C86.2 D9.20 D9.25 L16.2 | length 84.8
  Top Layer w0.22: D9.20@118,38.875 118,36.837 118.157,36.68 v1(118.18,36.68) ; v1(118.231,34.402) 122.392,34.402 C33.1@122.75,34.76 125.84,34.76 C32.2@126.125,34.475 ; D9.25@120.875,39.75 121.22,39.405 121.557,39.405 121.797,39.165 123.336,39.165 123.598,39.427 v1(123.806,39.427) ; L16.2@125.325,98.575 125.325,95.75 C86.2@126.575,94.5
  Bottom Layer w0.22: v1(118.18,36.68) 118.154,36.654 118.154,34.325 v1(118.231,34.402) ; C32.2@126.125,34.475 123.806,36.794 v1(123.806,39.427) 123.806,40.17 128.861,45.225 128.861,56.354 128.055,57.16 128.055,76.195 127.825,76.425 127.825,90.35 126.575,91.6 C86.2@126.575,94.5
AIN4: X9.33
AIN5: X9.36
AIN6: X9.35